# Altium PCB PCB1.PcbDoc (part 1 of 2)
Units mm, origin at the board's own origin, x right, y up, seen from the top; angles counter-clockwise.
Board outline 96.19 x 58.19 mm, 4 copper layers (Top Layer, GND, VCC, Bottom Layer), stack 1.566 mm thick; 127 components, 73 nets, 545 pads, 386 vias.
Unrouted connection lines stored in the file: 2.
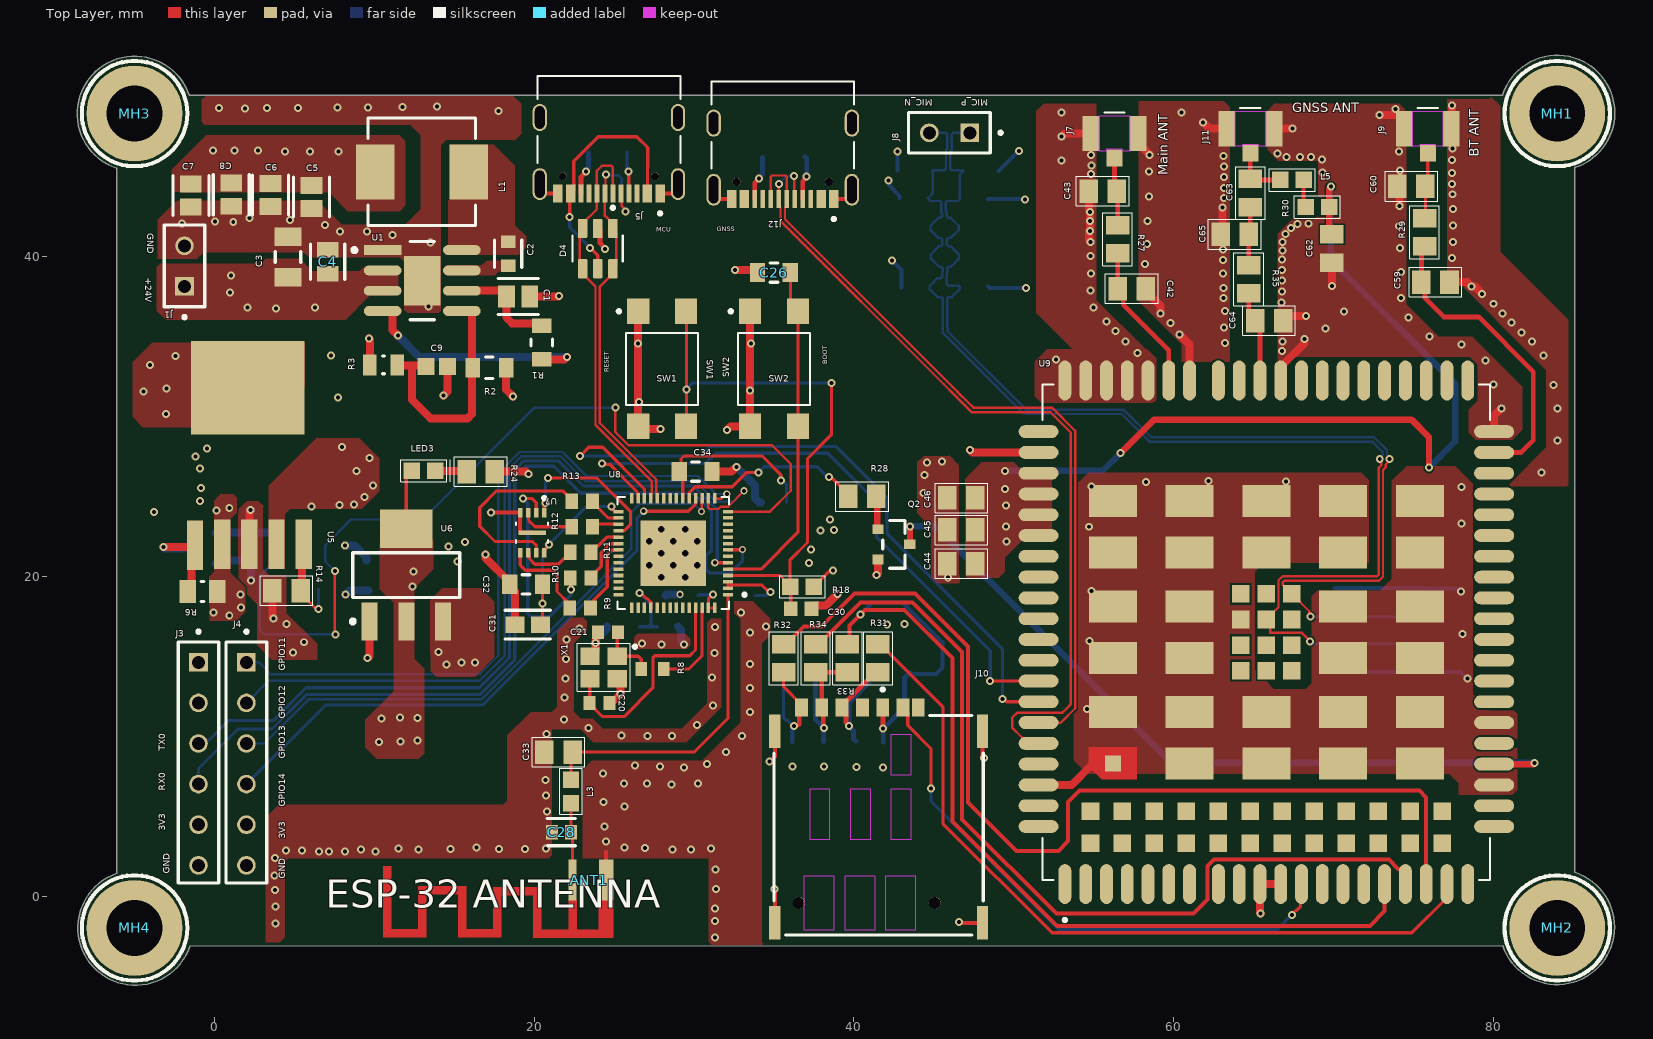
[diagram p0: Top Layer view]
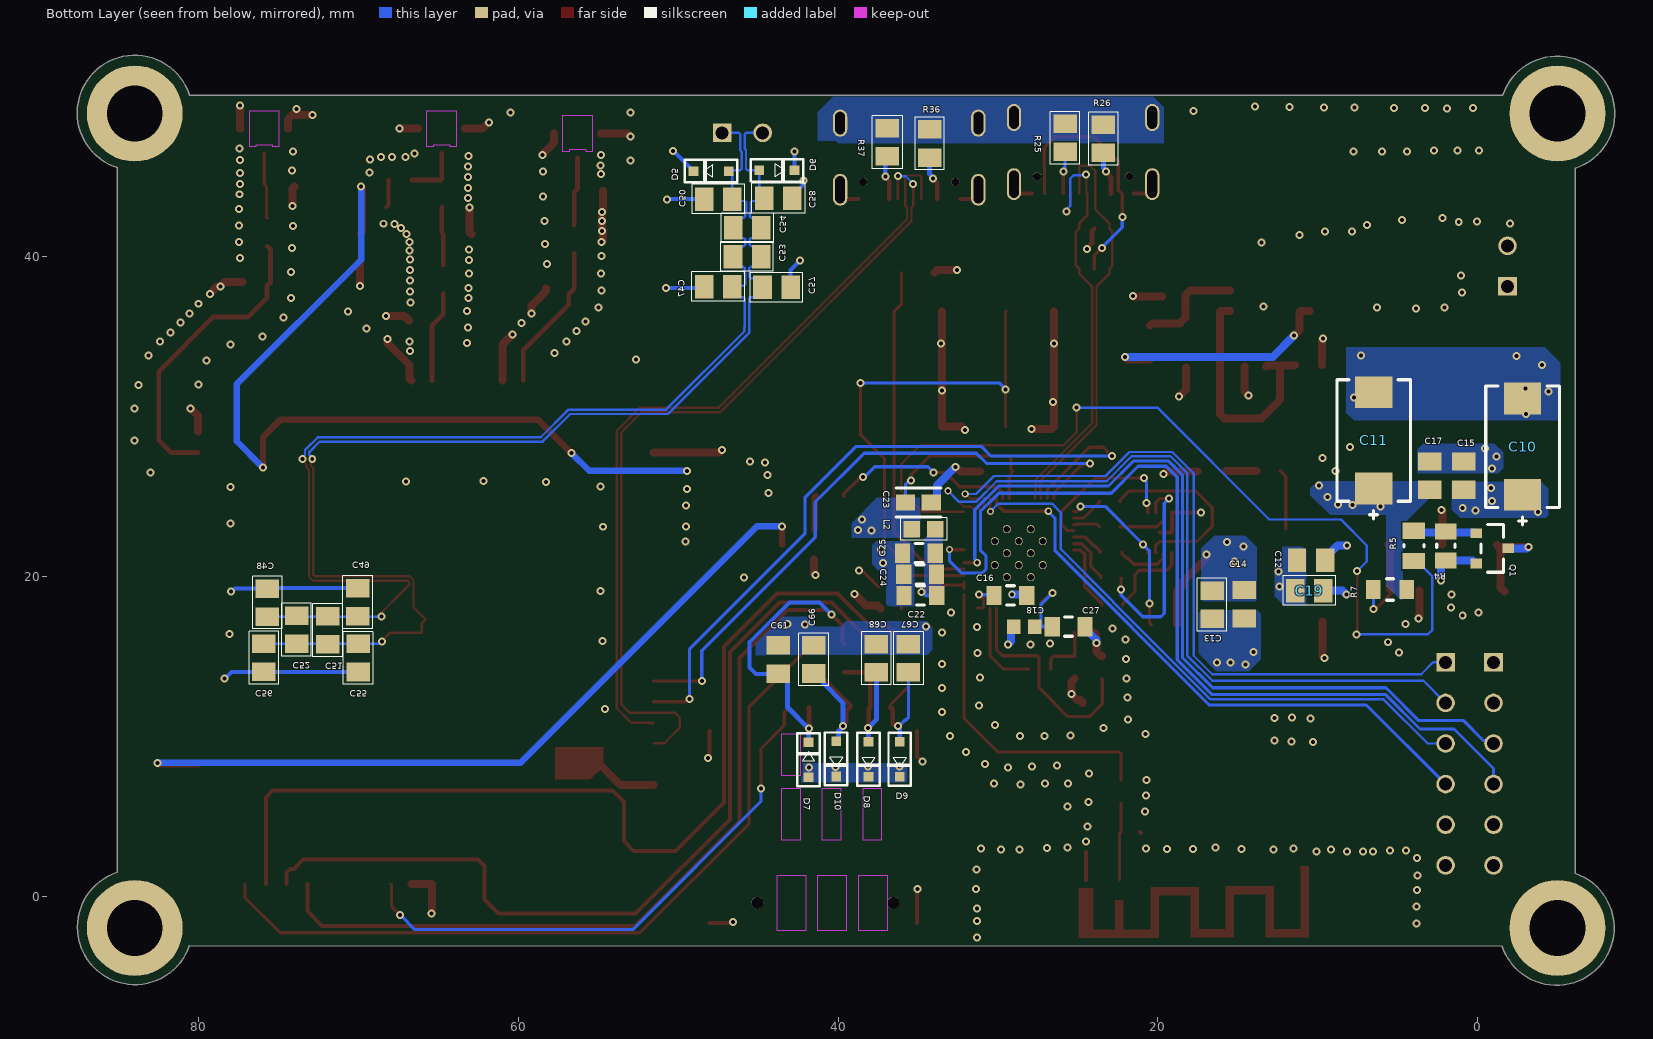
[diagram p1: Bottom Layer view, seen from below]
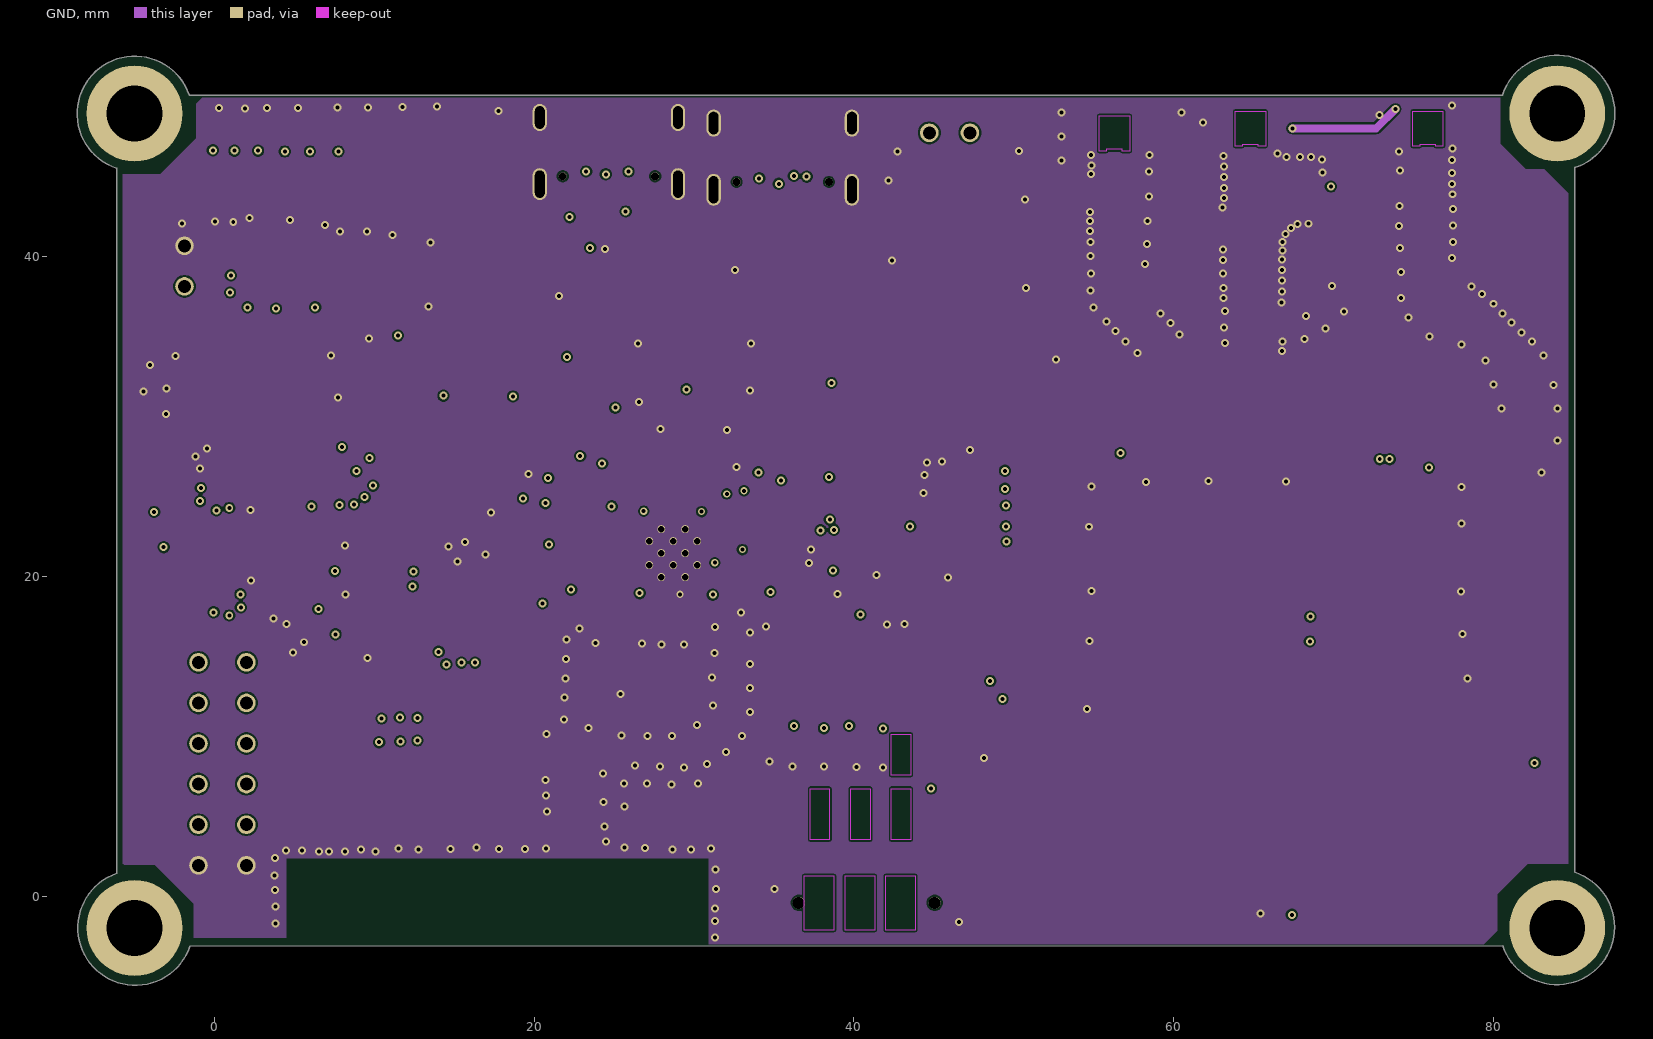
[diagram p2: GND]
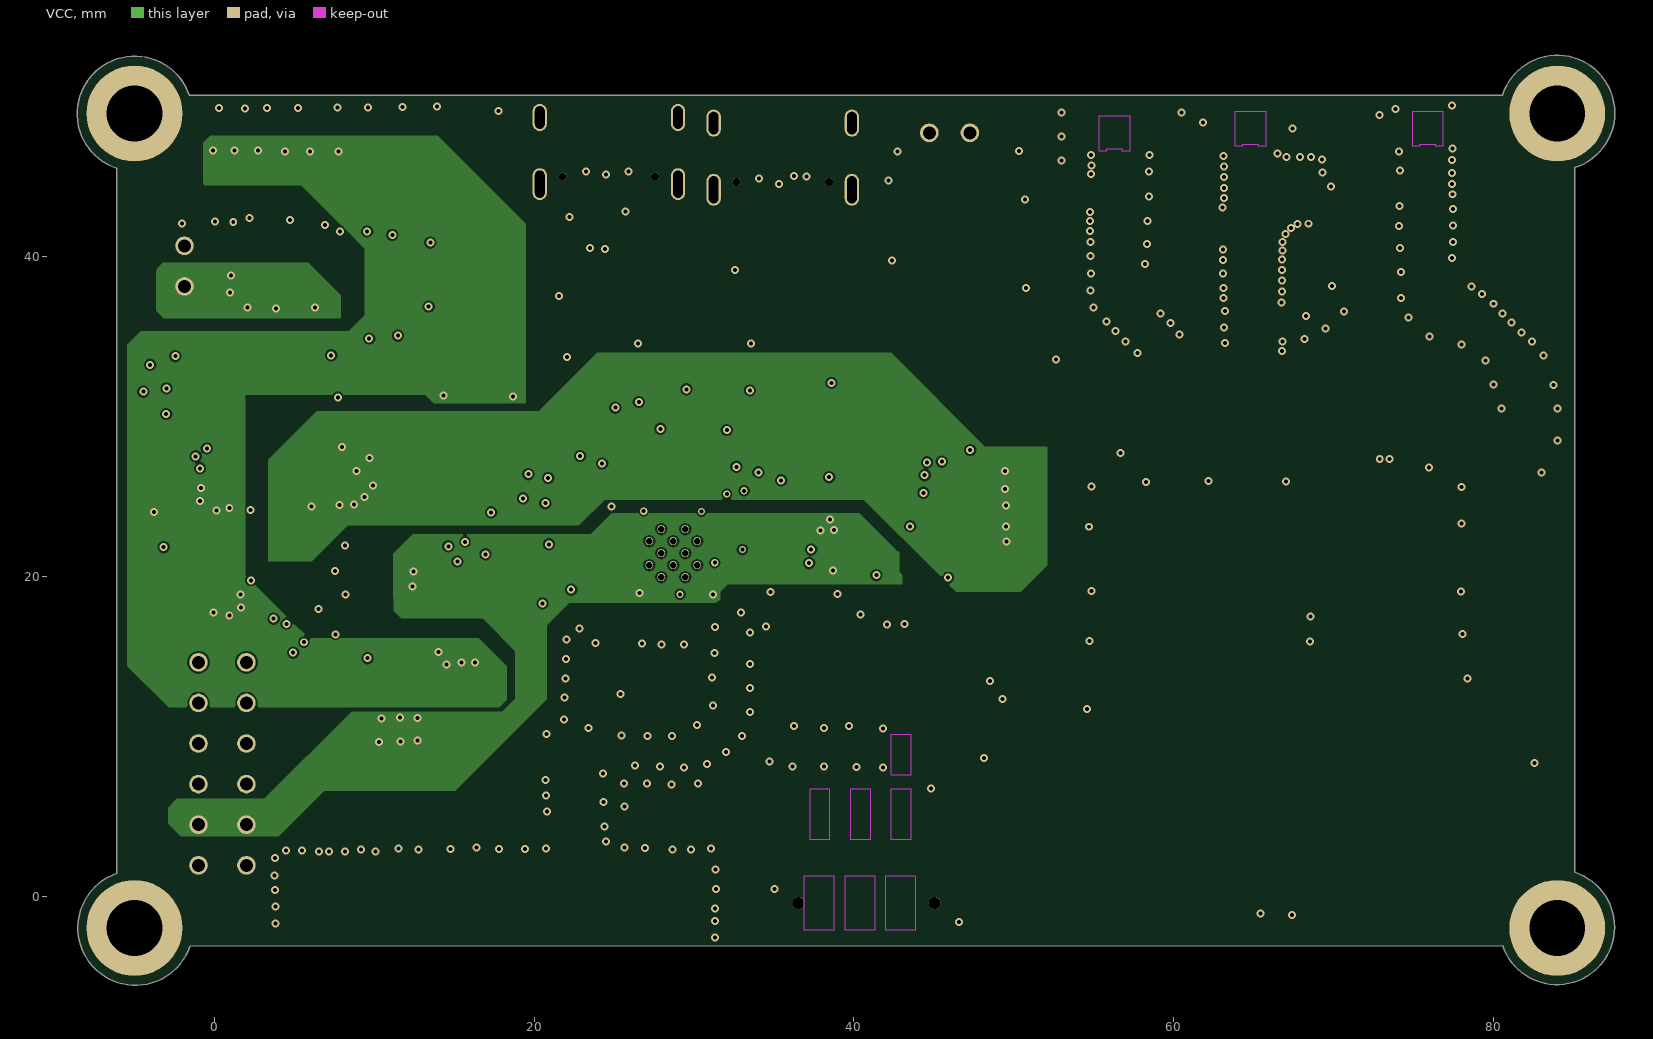
[diagram p3: VCC]
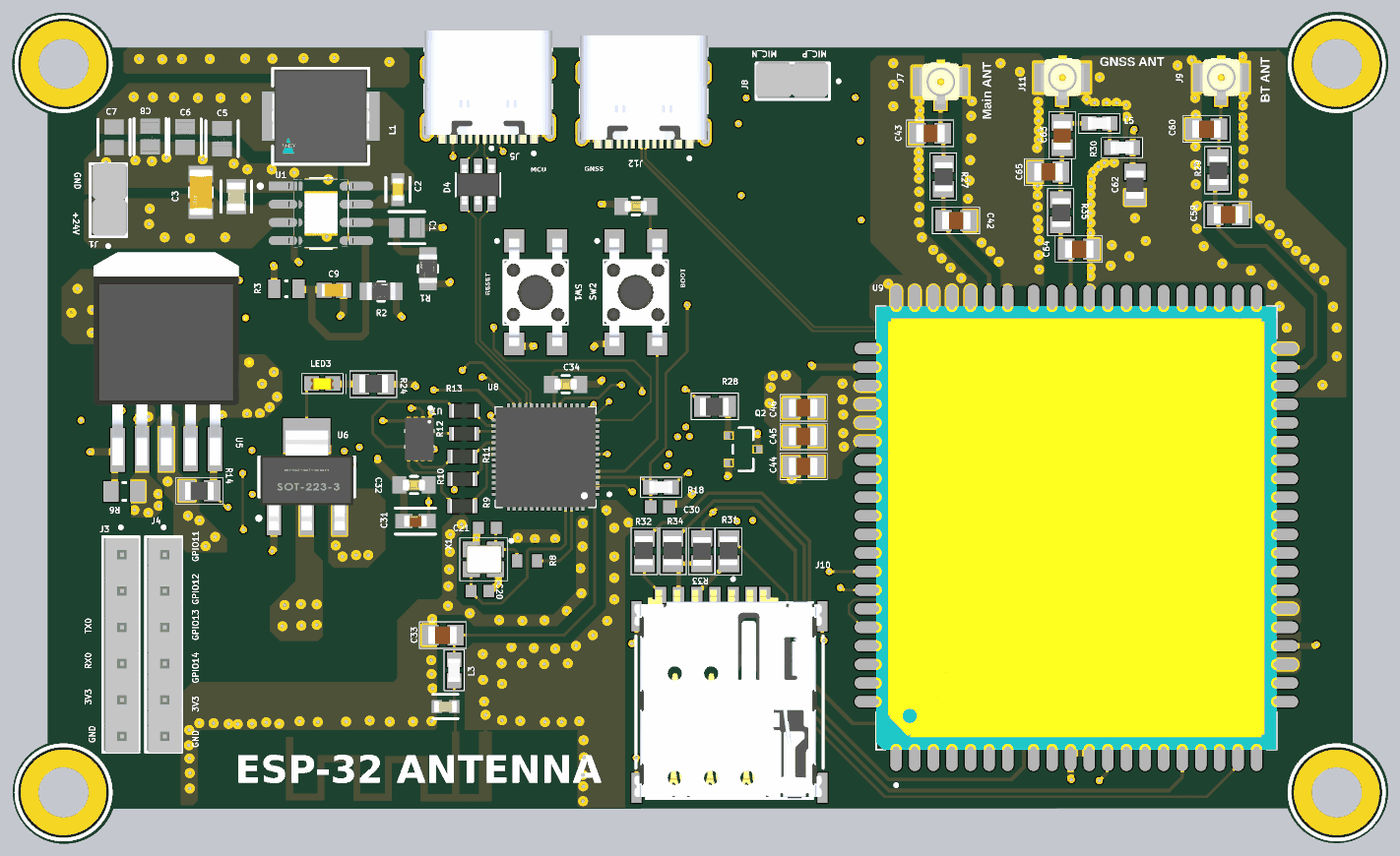
[diagram p5: 3D render of the assembled board from above, using the file's embedded part models]
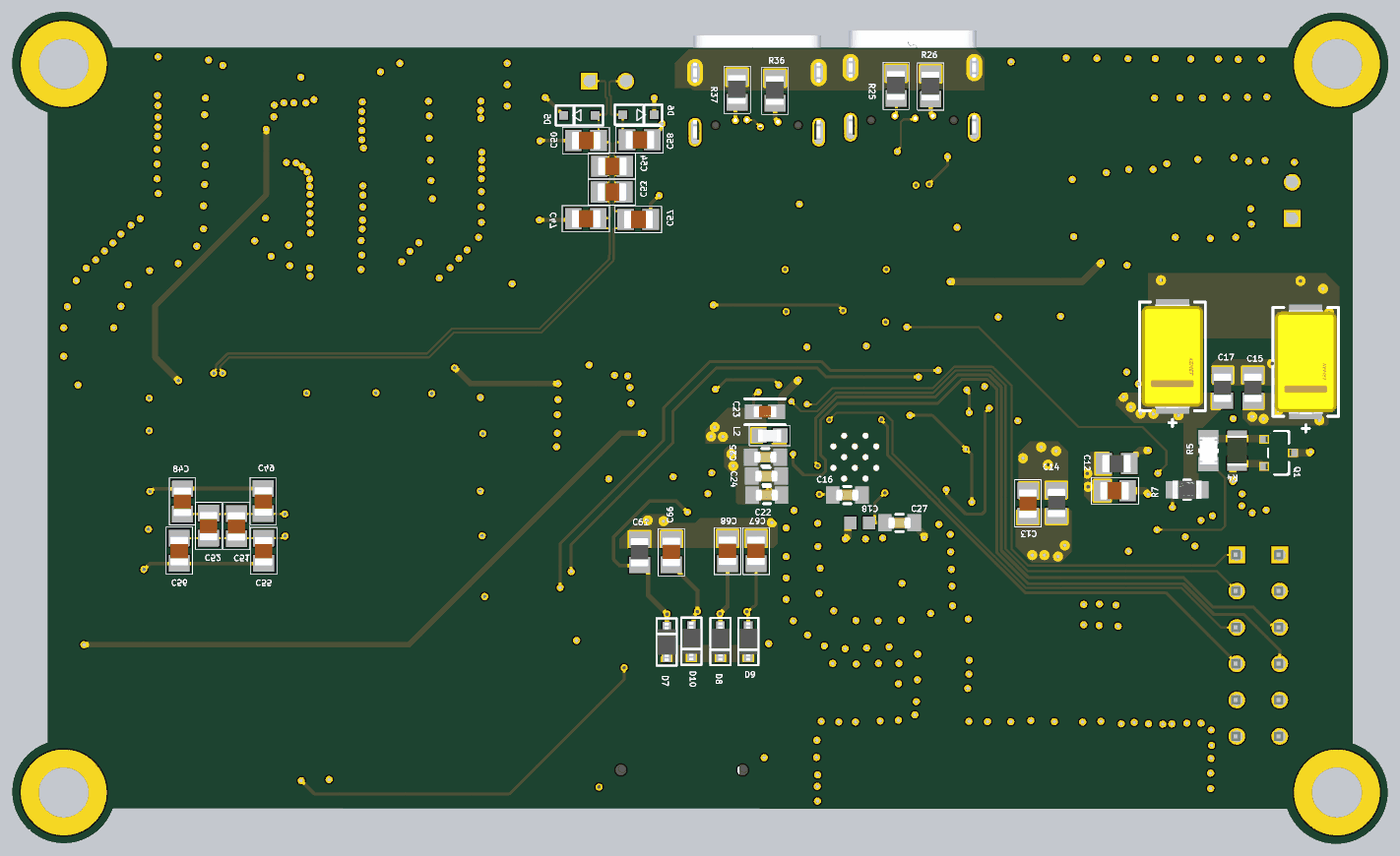
[diagram p6: 3D render of the assembled board from below, using the file's embedded part models]

## Layer stack, top to bottom
Top Solder: solder mask 0.0102, Solder Resist, Dk 3.5
Top Layer: signal copper 0.0356
Dielectric 2: prepreg 0.1, PP-006, Dk 4.1
GND: signal copper 0.0175
Dielectric 1: dielectric 1.26, FR-4, Dk 4.8
VCC: signal copper 0.0175
Dielectric 3: prepreg 0.1, PP-006, Dk 4.1
Bottom Layer: signal copper 0.0356
Bottom Solder: solder mask 0.0102, Solder Resist, Dk 3.5

## Board outline
-1.534,-3.149 cw(c-4.942,-1.988) -6.1,1.421 -6.1,45.521 -6.126,45.526 cw(c-4.988,48.942) -1.579,50.1 80.579,50.1 80.584,50.139 cw(c84,49) 87.6,49 cw(c84,49) 85.139,45.584 85.1,45.579 85.1,1.479 85.126,1.474 cw(c83.988,-1.942) 87.588,-1.942 cw(c83.988,-1.942) 80.579,-3.1

## Design rules (kind name [scope] priority, off if disabled: settings)
Clearance Clearance_1 [All] p1: gap=0.12 ignorepadtopadclearanceinfootprint=FALSE
Clearance Antenna_Clearance_Override [InNet('NetANT1_1')] p2: gap=0 ignorepadtopadclearanceinfootprint=FALSE
DiffPairsRouting 90_OHM [All] p1: maxlimit=0.127 minlimit=0.127 mostfreqgap=0.127 toplayer_minwidth=0.149 toplayer_maxwidth=0.149 toplayer_prefwidth=0.149 bottomlayer_minwidth=0.149 bottomlayer_maxwidth=0.149 bottomlayer_prefwidth=0.149 impedanceprofiledriven=TRUE impedanceprofileid={3426FDBA-79C7-4260-9517-67147BB7FE10} impedanceprofilevalue=90.000000 maxuncoupledlength=30
DiffPairsRouting [All] p2: maxlimit=0.254 minlimit=0.254 mostfreqgap=0.254 toplayer_minwidth=0.381 toplayer_maxwidth=0.381 toplayer_prefwidth=0.381 midlayer1_minwidth=0.381 midlayer1_maxwidth=0.381 midlayer1_prefwidth=0.381 midlayer2_minwidth=0.381 midlayer2_maxwidth=0.381 midlayer2_prefwidth=0.381 bottomlayer_minwidth=0.381 bottomlayer_maxwidth=0.381 bottomlayer_prefwidth=0.381 maxuncoupledlength=12.7
HoleSize [All] p1: absolutevalues=TRUE maxlimit=10 minlimit=0.025 maxpercent=80.000 minpercent=20.000
HoleToHoleClearance [All] p1: gap=0.15 allowstackedmicrovias=TRUE
MinimumSolderMaskSliver [All] p1: minsoldermaskwidth=0.08
PlaneConnect [All] p1: planeconnectstyle=Direct reliefexpansion=0.508 reliefentries=4 reliefconductorwidth=0.254 reliefairgap=0.254
PolygonConnect [All] p1: connectstyle=Direct reliefconductorwidth=0.254 reliefentries=4 polygonreliefangle="90 Angle" airgapwidth=0.254
RoutingVias [All] p1: holewidth=0.25 width=0.5 viastyle="Through Hole" minholewidth=0.25 minwidth=0.45 maxholewidth=0.4 maxwidth=0.7
SilkToSilkClearance [All] p1: silktosilkclearance=0.1
SilkToSolderMaskClearance [IsPad] p1: minsilkscreentomaskgap=0.1 clearancetoexposedcopper=TRUE
SolderMaskExpansion [All] p1: expansion=0.102 istentingtop=FALSE
SupplyNets "Schematic Supply Nets_11" [InNet('+24V')] p1: voltage=0.000
SupplyNets "Schematic Supply Nets_10" [InNet('+5')] p2: voltage=0.000
SupplyNets "Schematic Supply Nets_6" [InNet('VDD_SPI')] p3: voltage=0.000
SupplyNets "Schematic Supply Nets_4" [InNet('+3V8')] p4: voltage=0.000
SupplyNets "Schematic Supply Nets_2" [InNet('GND')] p5: voltage=0.000
SupplyNets "Schematic Supply Nets_1" [InNet('+3V3')] p6: voltage=0.000
Width [All] p1: maxlimit=1 minlimit=0.12 preferedwidth=0.25
23 further rules are at their usual default settings.

## Classes and differential pairs
net class 90_OHM: USB_D_N USB_D_P USB_GSM_N USB_GSM_P
net class 50_OHM: BT_ANT GNSS_ANT MAIN_ANT NetC33_2
component class Power_Supply: C1 C2 C3 C4 C5 C6 C7 C8 C9 C10 C11 C12 C13 C14 C15 C17 C19 J1 L1 MH1 MH2 MH3 MH4 Q1 R1 R2 R3 R4 R5 R6 R7 R14 U1 U5 U6
component class MCU: ANT1 C16 C18 C20 C21 C22 C23 C24 C25 C26 C27 C28 C30 C31 C32 C33 C34 D4 J3 J4 J5 L2 L3 LED3 R8 R9 R10 R11 R12 R13 R18 R24 R25 R26 SW1 SW2 U7 U8 X1
component class GSM_EC200U: C42 C43 C44 C45 C46 C47 C48 C49 C50 C51 C52 C53 C54 C55 C56 C57 C58 C59 C60 C61 C62 C63 C64 C65 C66 C67 C68 D5 D6 D7 D8 D9 D10 J7 J8 J9 J10 J11 J12 L5 Q2 R27 R28 R29 R30 R31 R32 R33 R34 R35 R36 R37
differential pair USB_GSM: +USB_GSM_P -USB_GSM_N
differential pair USB_D: +USB_D_P -USB_D_N
differential pair MIC: +MIC_P -MIC_N

## Components (designator, comment, footprint, x,y, rotation, side; value= is the part's Value field where it differs from the comment)
ANT1 "2.2GHZ" "2.4 GHz PCB antenna" 24.95,2.275 r180 top
C1 "1uF" FP-CL21-IPC_C 19,37.5 r180 top
C2 "100nF" FP-CC0603-DA-MFG 18.375,40.175 r90 top value="100 nF"
C3 "10uF" FP-CL31-IPC_C 4.6,39.974 r90 top
C4 "220nF" FP-C0805C-DN-MFG 7.075,39.675 r90 top value="0.22 μF"
C5 "22uF" FP-CL21-IPC_C 6.075,43.725 r270 top
C6 "22uF" FP-CL21-IPC_C 3.5,43.85 r270 top
C7 "22uF" FP-CL21-IPC_C -1.475,43.825 r270 top
C8 "22uF" FP-CL21-IPC_C 1.05,43.875 r270 top
C9 "10pF" CAPC1608X90X40ML10T20 13.9,33.125 r0 top
C10 "470uF" FP-T491D477K006AT-MFG -2.82,28.11 r270 bottom
C11 "470uF" FP-T491D477K006AT-MFG 6.5,28.5 r270 bottom
C12 ".1uF" FB_0805 10.46,21 r180 bottom value=100nF
C13 "10uF" Capacitor_0805 16.6,18.2 r90 bottom
C14 ".1uF" FB_0805 14.6,18.2 r90 bottom value=100nF
C15 ".1uF" FB_0805 0.875,26.25 r90 bottom value=100nF
C16 "100nF" FP-CGA3E-0_3-0_1-IPC_A 29.225,18.8 r180 bottom
C17 ".1uF" FB_0805 3,26.25 r90 bottom value=100nF
C18 "1uF" CAPC1608X90X35LL15T15 28.35,16.85 r180 bottom
C19 "10uF" Capacitor_0805 10.545,19.1 r180 bottom
C20 "10pF" CAPC1608X90X35LL10T15 24.1,12.075 r0 top
C21 "10pF" CAPC1608X90X35LL10T15 24.625,16.5 r180 top
C22 "100nF" FP-CGA3E-0_3-0_1-IPC_A 34.85,18.8 r0 bottom
C23 "10uF" FP-GRM188-0_1-e0_2_0_55-IPC_A 34.977,24.625 r180 bottom
C24 "100nF" FP-CGA3E-0_3-0_1-IPC_A 34.875,20.125 r0 bottom
C25 "100nF" FP-CGA3E-0_3-0_1-IPC_A 34.95,21.45 r0 bottom
C26 "100nF" FP-CGA3E-0_3-0_1-IPC_A 35,39 r0 top
C27 "100nF" FP-CGA3E-0_3-0_1-IPC_A 25.575,16.85 r180 bottom
C28 "3.3pF" FP-C0603C-CF-MFG 21.7,4 r180 top value="3.3 pF"
C30 "1uF" CAPC1608X90X35LL15T15 36.7,17.975 r180 top
C31 "10uF" FP-GRM188-0_1-e0_2_0_55-IPC_A 19.598,16.975 r180 top
C32 "100nF" FP-CGA3E-0_3-0_1-IPC_A 19.5,19.5 r180 top
C33 "3.3 pF" Capacitor_0805 21.495,9 r0 top
C34 "100nF" FP-CGA3E-0_3-0_1-IPC_A 30.1,26.55 r0 top
C42 "10nF" Capacitor_0805 57.405,38 r180 top
C43 "100pF" Capacitor_0805 55.6,44.1 r180 top
C44 "10nF" Capacitor_0805 46.7,20.8 r0 top
C45 "10pF" Capacitor_0805 46.7,22.9 r0 top
C46 "10pF" Capacitor_0805 46.7,24.9 r0 top
C47 "33pF" Capacitor_0805 47.48,38.125 r0 bottom
C48 "33pF" Capacitor_0805 75.7,18.33 r90 bottom
C49 "10pF" Capacitor_0805 70.05,18.355 r90 bottom
C50 "10pF" Capacitor_0805 47.475,43.6 r0 bottom
C51 "10pF" Capacitor_0805 71.925,16.6 r90 bottom
C52 "33pF" Capacitor_0805 73.875,16.625 r90 bottom
C53 "10pF" Capacitor_0805 45.67,40 r0 bottom
C54 "33pF" Capacitor_0805 45.65,41.8 r0 bottom
C55 "10pF" Capacitor_0805 70.025,14.87 r90 bottom
C56 "33pF" Capacitor_0805 75.925,14.875 r90 bottom
C57 "10pF" Capacitor_0805 43.825,38.075 r0 bottom
C58 "33pF" Capacitor_0805 43.72,43.65 r0 bottom
C59 "10nF" Capacitor_0805 76.405,38.4 r180 top
C60 "100pF" Capacitor_0805 74.9,44.4 r180 top
C61 ".1uF" FB_0805 43.75,14.75 r90 bottom value=100nF
C62 ".1uF" FB_0805 69.9,40.46 r90 top value=100nF
C63 "100pF" Capacitor_0805 64.8,43.955 r90 top
C64 "10nF" Capacitor_0805 66,36 r180 top
C65 "100pF" Capacitor_0805 63.845,41.4 r180 top
C66 "33pF" Capacitor_0805 41.525,14.825 r270 bottom
C67 "33pF" Capacitor_0805 35.6,14.905 r270 bottom
C68 "33pF" Capacitor_0805 37.6,14.905 r270 bottom
D4 "USBLC6-2SC6" SOT-23-6 24,40.5 r270 top value=3.5pF
D5 "PESD5V0L1BA" SOT323#1 48.1,45.475 r180 bottom
D6 "PESD5V0L1BA" SOT323#1 43.675,45.275 r0 bottom
D7 "PESD5V0L1BA" SOT323#2 41.975,8.675 r270 bottom
D8 "PESD5V0L1BA" SOT323#2 37.975,8.4 r90 bottom
D9 "PESD5V0L1BA" SOT323#2 36.025,8.4 r90 bottom
D10 "PESD5V0L1BA" SOT323#2 40,8.425 r90 bottom
J1 "1X2" "Header 1x2 2.54mm" -1.875,38.175 r180 top
J3 "1X6" Header_1X6_2.54mm -1,14.62 r0 top
J4 "1X6" Header_1X6_2.54mm 2,14.62 r0 top
J5 "TYPE-C-31-M-12" TYPE-C-31-M-12 24.675,48.7 r180 top
J7 "U.FL-R-SMT-1(80)" UFL 56.3,47.7 r0 top
J8 "1X2" "Header 1x2 2.54mm" 47.218,47.744 r270 top
J9 "U.FL-R-SMT-1(80)" UFL 75.9,48 r0 top
J10 "SIM8066-6-1-14-01-A" SIM 41.45,4.43 r0 top
J11 "U.FL-R-SMT-1(80)" UFL 64.8,48 r0 top
J12 "TYPE-C-31-M-12" TYPE-C-31-M-12 35.55,48.35 r180 top
L1 "6.8uH" FP-IHLP-2525CZ-FP_2_413x3-MFG 12.975,45.3 r180 top
L2 "2.2nH" Inductor_0603 34.65,22.95 r180 bottom
L3 "2.2nH" Inductor_0603 22.3,6.535 r90 top
L5 "47 nH" Resistor_0603 67.4,44.8 r0 top
LED3 "YELLOW" LED_YELLOW_0603 13.085,26.6 r0 top
MH1 "Mounting Hole" MOUNTING 84,49 r0 top
MH2 "Mounting Hole" MOUNTING 84,-1.95 r0 top
MH3 "Mounting Hole" MOUNTING -5,49 r0 top
MH4 "Mounting Hole" MOUNTING -5,-1.95 r0 top
Q1 "BC817-40,215" FP-SOT23-MFG -0.92,21.75 r180 bottom
Q2 "BC817-40,215" FP-SOT23-MFG 42.5,22 r0 top
R1 "100K" FP-RT0805-MFG 20.475,34.625 r90 top value=100KΩ
R2 "100K" FP-RT0805-MFG 17.2,33.05 r0 top value=100KΩ
R3 "24K9" RESC0805(2012)_L 10.575,33.225 r0 top value="24900.00 Ohm"
R4 "47K" RESC2013X60X35NL10T20 1.98,21.9 r90 bottom
R5 "4.7K" FP-CRCW0805-e3-IPC_B 3.98,21.9 r270 bottom
R6 "51K" RESC2013X50X30NL20T20 -0.75,19.05 r0 top
R7 "100K" FP-RT0805-MFG 5.475,19.175 r180 bottom value=100KΩ
R8 "22R" RESC1608X55X25NL10T15 27.4,14.2 r180 top
R9 "0R" RESC1609X50X30NL8T20 22.875,18.025 r180 top
R10 "0R" RESC1609X50X30NL8T20 22.9,19.9 r180 top
R11 "0R" RESC1609X50X30NL8T20 22.9,21.5 r180 top
R12 "0R" RESC1609X50X30NL8T20 23,23.1 r180 top
R13 "0R" RESC1609X50X30NL8T20 23,24.7 r180 top
R14 "47K" Resistor_0805 4.48,19.1 r0 top value=47kR
R18 "100K" Resistor_0603 36.75,19.35 r0 top value=100kR
R24 "1K" Resistor_0805 16.675,26.55 r180 top value=1kR
R25 "5.1K" Resistor_0805 25.8,47.45 r270 bottom value=5.1kR
R26 "5.1K" Resistor_0805 23.4,47.4 r270 bottom value=5.1kR
R27 "0R" Resistor_0805 56.5,41.055 r90 top value=0mR
R28 "1K" Resistor_0805 40.5,25 r0 top value=1kR
R29 "0R" Resistor_0805 75.7,41.5 r90 top value=0mR
R30 "10R" Resistor_0603 69,43.1 r180 top
R31 "0R" Resistor_0805 41.5,14.9 r270 top value=0mR
R32 "0R" Resistor_0805 35.6,14.905 r270 top value=0mR
R33 "15K" Resistor_0805 39.6,14.855 r90 top value=15kR
R34 "0R" Resistor_0805 37.6,14.905 r270 top value=0mR
R35 "0R" Resistor_0805 64.7,38.555 r90 top value=0mR
R36 "5.1K" Resistor_0805 34.275,47.1 r270 bottom value=5.1kR
R37 "5.1K" Resistor_0805 36.925,47.175 r270 bottom value=5.1kR
SW1 "Sw" SW_Tactile_SMD 28,33 r0 top
SW2 "Sw" SW_Tactile_SMD 35,33 r0 top
U1 "LMR33640ADDAR" FP-DDA0008J-IPC_A 13,38.5 r0 top
U5 "MIC29302AWU-TR" TO-263-5 -1.22,22 r0 top
U6 "AMS1117-3.3V" SOT-223 12,20.2 r90 top
U7 "W25Q16JVUXIQ" 8_USON 19.9,22.7 r270 top
U8 "ESP32-S3" ESP32S3 28.7,21.45 r180 top
U9 "EC200UEUAA-N05-SGNSA" EC200UEUAA-N05-SGNSA 65.8,16.5 r90 top
X1 "40MHz" SMD2520-4P 24.4,14.3 r180 top
